# Altium PCB S7.PcbDoc (part 3 of 6)
Units mm, origin at the board's own origin, x right, y up, seen from the top; angles counter-clockwise.
Board outline 50 x 40 mm, 6 copper layers (Component Side, Inner1, Inner2, Inner3, Inner4, Solder Side), stack 0.696 mm thick; 260 components, 298 nets, 1407 pads, 891 vias.
Unrouted connection lines stored in the file: 262.
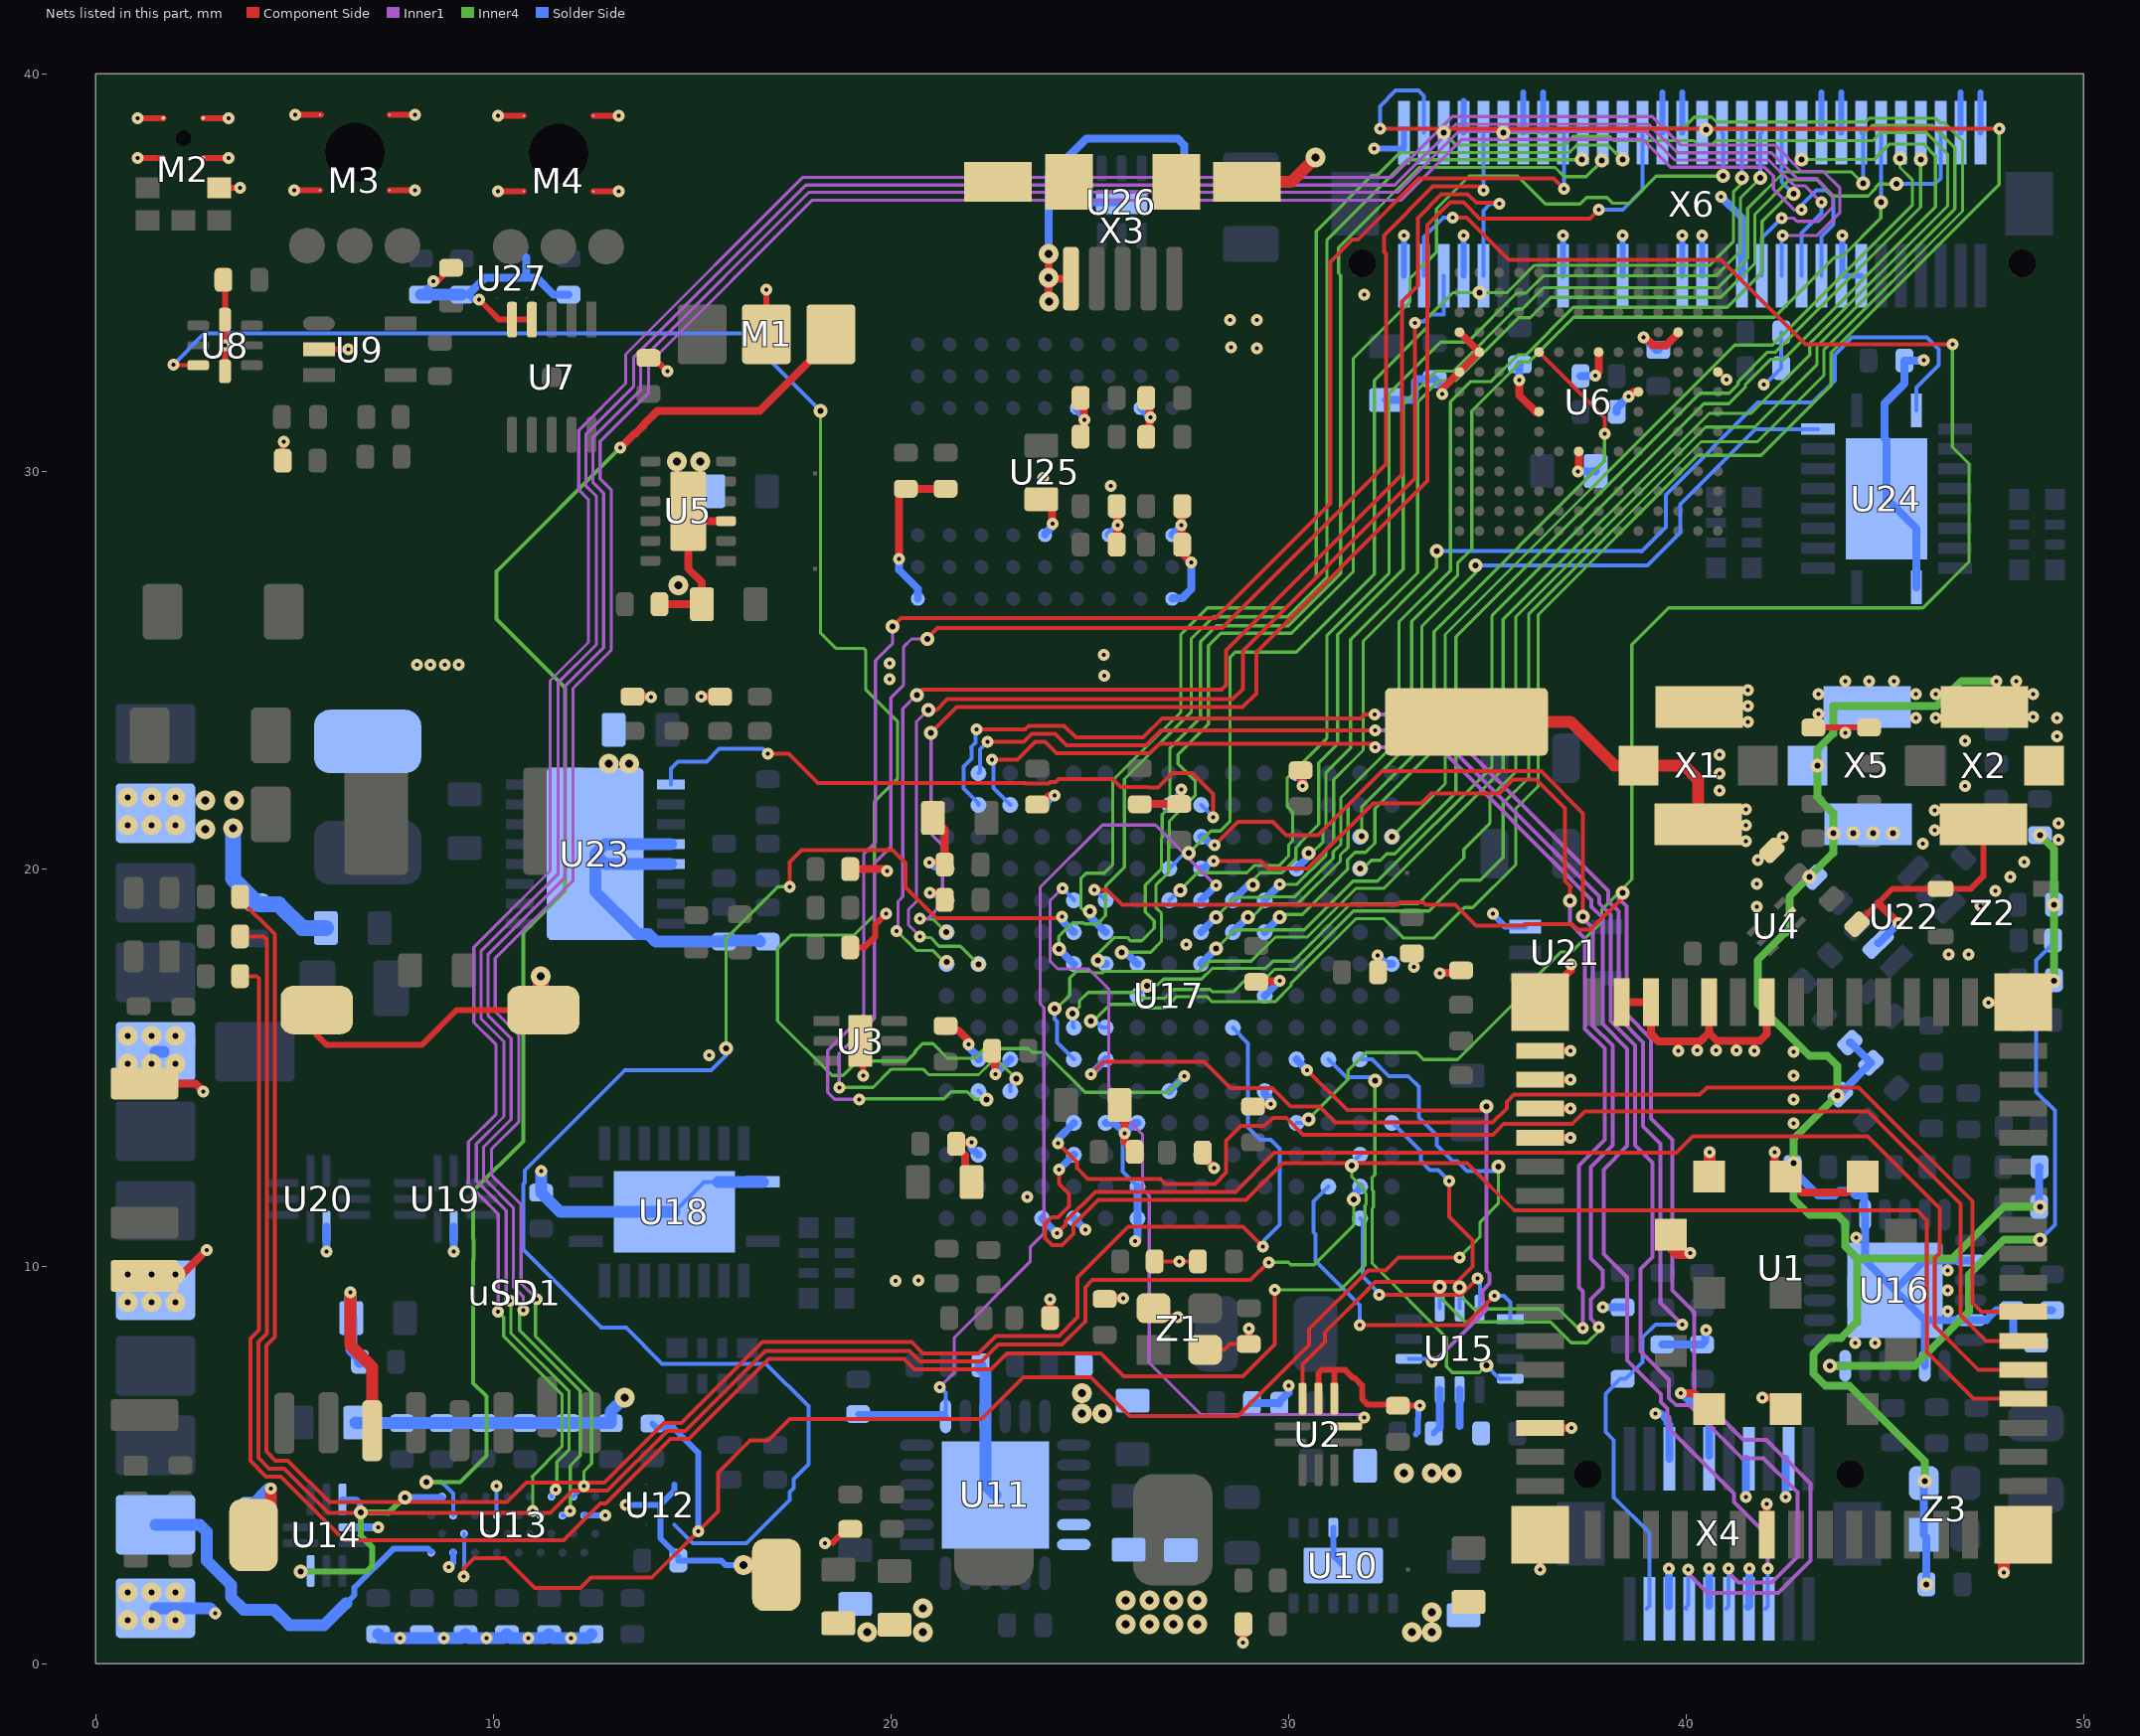
[diagram p7: the nets of this part, all layers, seen from the top]

## Via types
v1: diameter 0.3, hole 0.1, Component Side to Solder Side, tented both sides, 467 vias
v2: diameter 0.35/0.3 (per signal layer), hole 0.15, Inner4 to Solder Side, tented both sides, 214 vias
v3: diameter 0.5, hole 0.2, Component Side to Solder Side, tented both sides, 98 vias
v4: diameter 0.25/0.35 (per signal layer), hole 0.15, Component Side to Inner1, tented both sides, 46 vias
v5: diameter 0.5, hole 0.15, Inner4 to Solder Side, tented both sides, 28 vias
v6: diameter 0.5/0.5 (per signal layer), hole 0.15, Inner4 to Solder Side, tented both sides, 14 vias
v7: diameter 0.3, hole 0.1, Inner4 to Solder Side, tented both sides, 6 vias
v8: diameter 0.5, hole 0.3, Component Side to Solder Side, 4 vias
v9: diameter 0.5, hole 0.2, Component Side to Inner1, tented both sides, 4 vias
v10: diameter 0.5, hole 0.2, Inner4 to Solder Side, tented both sides, 4 vias
v11: diameter 0.5, hole 0.15, Component Side to Inner1, tented both sides, 4 vias
v12: diameter 0.3, hole 0.1, Component Side to Inner1, tented both sides, 2 vias

## Nets (pads, with @x,y where several pads share a name; then routed paths per layer and width w, separated by ;. In a path a pad name is that pad's centre, name@x,y a point inside that pad or via, vN(x,y) a via of type N, cw(c..) or ccw(c..) an arc to the next point about the centre after c; other vN are vias at no path point) (continued)
BT_UART_CTS: U1.24 U17.F10 | length 29
  Component Side w0.1: v1(25.025,14.829) 25.339,15.143 27.881,15.143 28.545,14.479 29.595,14.479 30.052,14.022 30.782,14.022 31.184,13.62 35.133,13.62 35.486,13.973 35.486,14.138 35.663,14.315 40.344,14.315 40.53,14.5 44.344,14.5 47.211,11.634 47.211,9.075 47.431,8.855 U1.24@48.475,8.855
  Solder Side w0.2: v1(25.025,14.829) U17.F10@25.4,15.204
BT_UART_RTS: U1.25 U17.E12 | length 31.1
  Component Side w0.1: v1(24.2,13.1) 24.676,12.624 24.676,12.477 24.952,12.2 26.779,12.2 26.903,12.076 28.151,12.076 28.427,12.352 28.427,13.157 28.799,13.529 29.396,13.529 29.601,13.734 29.948,13.734 30.37,13.312 35.138,13.312 35.411,13.585 37.136,13.585 37.451,13.9 44.575,13.9 46.901,11.574 46.901,8.771 47.548,8.125 U1.25@48.475,8.125
  Solder Side w0.2: v1(24.2,13.1) 24.219,13.119 24.219,13.223 U17.E12@24.6,13.604
BT_UART_RXD: U1.27 U17.E13 | length 32.8
  Component Side w0.1: v1(24.225,12.429) 24.225,12.065 24.475,11.815 24.475,11.505 24.199,11.229 24.038,11.229 23.875,11.066 23.875,10.705 24.051,10.529 24.299,10.529 24.59,10.82 24.59,11.044 25.222,11.676 28.929,11.676 29.853,12.6 34.488,12.6 35.685,11.402 45.811,11.402 46.05,11.163 46.05,7.842 47.228,6.665 U1.27@48.475,6.665
  Solder Side w0.2: v1(24.225,12.429) U17.E13@24.6,12.804
BT_UART_TXD: U1.26 U17.D15 | length 30.2
  Component Side w0.1: v1(24.175,10.829) 24.39,11.044 24.39,11.127 25.139,11.876 28.663,11.876 29.642,12.855 39.751,12.855 40.167,13.27 44.568,13.27 46.375,11.464 46.375,10.336 46.25,10.211 46.25,8.493 47.348,7.395 U1.26@48.475,7.395
  Solder Side w0.2: U17.D15@23.8,11.204 v1(24.175,10.829)
CHARGER_INT: R34.2 U11.7 U17.J5 | length 22.9
  Inner1 w0.08: v1(21.23,6.96) 21.595,7.325 21.595,8.208 23.502,10.115 23.502,10.481 23.85,10.829 23.85,16.506 23.755,16.601 23.755,19.535 25.32,21.1 26.654,21.1 v1(28.175,19.579)
  Solder Side w0.1: v1(21.23,6.96) 21.375,6.815 U11.7@21.375,6.225
  Solder Side w0.15: R34.2@19.175,6.282 21.318,6.282 U11.7@21.375,6.225
  Solder Side w0.2: U17.J5@27.8,19.204 v1(28.175,19.579)
CODEC_IRQ: R35.1 U13.C13 U17.P10 | length 42.9
  Component Side w0.1: v1(9.253,2.2) 9.253,2.398 9.517,2.663 10.297,2.663 11.047,1.913 12.189,1.913 12.45,2.173 13.986,2.173 v1(15.15,3.337) 15.649,3.837 15.649,4.812 16.461,5.623 16.912,5.623 17.451,6.162 22.284,6.162 23.332,7.21 25.029,7.21 26.005,6.235 28.731,6.235 30.515,8.019 30.515,8.415 32,9.9 32.438,9.9 32.762,10.224 v1(34.303,10.224)
  Inner4 w0.08: v1(34.303,10.224) 34.303,10.23 34.819,10.747 34.819,11.118 35.276,11.575 v2(35.276,12.505)
  Solder Side w0.1: v1@9.263,2.314 U13.C13@9.263,3.273 ; U17.P10@31.8,15.204 32.105,15.204 32.523,14.786 33.011,14.786 33.274,14.522 33.274,13.743 33.724,13.293 33.724,13.059 ; 33.725,13.058 33.725,13.049 34.124,12.65 34.244,12.65 34.497,12.397 v2@35.183,12.397
  Solder Side w0.15: R35.1@14,6.04 14.099,5.941 14.525,5.941 15.15,5.316 v1(15.15,3.337)
CODEC_PWR: U12.3 U17.E6 | length 37.4
  Component Side w0.1: v1(17.46,19.55) 17.46,20.174 17.751,20.465 20.046,20.465 20.368,20.143 20.368,19.533 21.138,18.762 24.262,18.762 v1(24.3,18.8)
  Inner4 w0.08: v2(15.852,15.48) 15.852,18.242 17.16,19.55 v1(17.46,19.55)
  Solder Side w0.1: U12.3@14.56,3.49 15.013,3.037 16.363,3.037 17.45,4.124 17.45,4.324 17.551,4.425 17.551,4.651 17.925,5.025 17.925,6.485 16.86,7.55 14.243,7.55 13.337,8.455 12.72,8.455 10.75,10.426 10.75,12.073 10.79,12.113 10.79,12.414 13.311,14.935 15.483,14.935 15.852,15.304 v2(15.852,15.48)
  Solder Side w0.2: v1(24.3,18.8) 24.3,18.704 U17.E6@24.6,18.404
DCDC_RUN: U17.J2 U23.1 | length 16.1
  Component Side w0.1: v1(16.9,22.9) 17.425,22.9 18.162,22.163 23.362,22.163 23.381,22.145 23.973,22.145 24.006,22.178 24.142,22.178 24.219,22.254 25.584,22.254 25.775,22.064 26.459,22.064 26.479,22.044 26.721,22.044 27.082,22.404 27.575,22.404 28.1,21.879 v1(28.1,21.296)
  Solder Side w0.1: U23.1@14.462,22.125 14.462,22.516 14.647,22.7 15.362,22.7 15.677,23.015 16.785,23.015 v1(16.9,22.9) ; U17.J2@27.8,21.604 28.1,21.304 v1(28.1,21.296)
DIO2: R46.2 U16.12 | length 15.6
  Inner4 w0.2: v2(43.62,7.5) 45.75,7.5 47.113,8.863 47.113,9.788 48,10.675 v2(48.905,10.675)
  Solder Side w0.1: v2(48.905,10.675) 49.275,11.045 49.275,13.918 48.81,14.383 48.81,17.7 49.235,18.125 R46.2@49.235,18.2
  Solder Side w0.2: v2(43.62,7.5) U16.12@44,7.5
DPOT_CS: U8.3 U17.H11 | length 49.4
  Component Side w0.1: v1(1.95,32.684) 1.959,32.676 2.566,32.676 U8.3@2.575,32.667
  Inner4 w0.08: v2(18.228,31.519) 18.228,25.934 18.615,25.547 19.316,25.547 19.364,25.499 19.364,24.512 20.17,23.707 20.17,22.25 20.15,22.25 19.584,21.684 19.584,18.842 19.079,18.337 17.497,18.337 17.15,17.99 17.15,16.17 18.52,14.8 18.793,14.8 19.033,15.039 19.033,15.043 19.163,15.173 19.17,15.165 20.4,15.165 20.61,15.375 20.61,15.419 20.795,15.603 21.057,15.603 21.43,15.23 22.104,15.23 22.353,15.479 23.458,15.479 23.557,15.38 23.88,15.38 24.885,14.375 26.971,14.375 v1(27.375,14.779)
  Solder Side w0.1: v1(1.95,32.684) 2.733,33.467 16.28,33.467 v2(18.228,31.519)
  Solder Side w0.2: U17.H11@27,14.404 v1(27.375,14.779)
EMMC_EN1: U17.P3 U24.19 | length 18.4
  Inner4 w0.08: v2(31.84,20.825) 31.84,21.55 33.352,23.062 33.352,26.096 34.707,27.451 v2(34.707,27.629)
  Solder Side w0.1: v2(34.707,27.629) 39.026,27.629 39.85,28.454 39.85,29.176 41.736,31.063 U24.19@43.315,31.063
EMMC_EN2: U17.L5 U24.1 | length 28.5
  Inner4 w0.08: v1(29.78,19.61) 30.213,19.61 30.945,20.342 30.945,20.497 31.136,20.689 31.136,22.239 31.88,22.983 31.88,25.728 33.724,27.572 v2(33.724,27.994)
  Solder Side w0.1: v2(33.724,27.994) 38.866,27.994 38.877,27.982 39.487,28.592 39.487,29.409 41.806,31.728 43.183,31.728 43.737,32.282 43.737,32.939 44.173,33.375 46.06,33.375 46.359,33.076 46.359,32.675 45.79,32.106 U24.1@45.79,31.537
  Solder Side w0.2: U17.L5@29.4,19.204 29.4,19.217 29.78,19.597 v1(29.78,19.61)
EMMC_RST: U6.K5 U17.L6 | length 19.3
  Component Side w0.1: U6.K5@36.3,33 37.95,31.35 v1(37.95,30.948)
  Inner4 w0.08: v2(29.775,18.779) 29.846,18.85 30.35,18.85 31.485,19.985 31.485,20.23 31.669,20.415 31.93,20.415 31.936,20.41 32.172,20.646 32.172,21.51 33.659,22.997 33.659,25.969 37.95,30.26 v1(37.95,30.948)
  Solder Side w0.2: U17.L6@29.4,18.404 v2(29.775,18.779)
GND: ACC1.1 BT1.2 BT2.2 C1.1 C2.2 C3.2 C4.2 C5.2 C6.2 C7.2 C8.2 C9.2 C10.2 C11.2 C12.2 C13.2 C14.2 C15.2 C17.2 C19.2 C20.2 C21.2 C22.2 C23.1 C25.1 C26.2 C27.2 C28.2 C29.2 C30.2 C31.2 C32.1 C33.1 C34.1 C35.2 C36.2 C37.2 C38.2 C41.2 C42.2 C43.2 C44.2 C45.2 C46.2 C47.2 C48.1 C49.2 C50.1 C51.1 C52.1 C54.2 C55.2 C56.2 C57.2 C58.2 C60.2 C61.2 C62.2 C63.2 C64.2 C65.1 C66.1 C67.1 C68.1 C70.2 C71.2 C72.2 C73.1 C74.2 C75.2 C76.2 C77.2 C78.2 C79.2 C80.1 C81.1 C82.1 C83.2 C84.1 C85.2 C87.2 C88.1 C90.2 C91.2 C92.2 C94.1 C95.2 C97.1 C100.2 C101.2 C102.2 C103.1 C104.1 C105.1 C108.2 C109.2 C110.1 C111.2 C112.2 C113.2 C114.2 C115.2 C116.2 C117.2 C118.1 C119.2 C120.2 C121.2 C122.2 C123.1 L5.1 M1.2 M2.2 M2.3 M3.4 M4.4 P_MIC_GND1.1 P_PWR_GND1.1 P_USB_GND1.1 P_VBAT_GND1.1 R2.2 R6.1 R10.2 R18.1 R19.1 R20.2 R22.2 R24.2 R25.1 R36.1 R39.1 R40.1 R41.1 R43.2 R49.1 R50.1 U1.2 U1.3 U1.5 U1.7 U1.38 U1.47 U1.57 U1.58 U1.59 U1.60 U1.61 U1.62 U1.63 U1.64 U1.65 U1.66 U1.67 U1.69 U1.76 U1.77 U2.8 U2.9 U3.7 U4.2 U5.3 U5.13 U6.A6 U6.C4 U6.E7 U6.G5 U6.H10 U6.K8 U6.N2 U6.N5 U6.P4 U6.P6 U7.4 U7.5 U8.4 U8.8 U9.2 U10.3 U10.13 U11.9 U11.17 U11.18 U11.25 U12.2 U12.5 U13.B2 U13.B10 U13.D14 U14.6 U15.6 U15.7 U16.2 U16.5 U16.8 U16.20 U16.25 U17.A4 U17.A5 U17.B10 U17.B13 U17.C10 U17.D2 U17.E15 U17.F12 U17.G12 U17.G14 U17.G15 U17.H2 U17.J13 U17.L8 U17.L11 U17.M1 U17.R7 U18.10 U18.PAD U19.6 U20.6 U21.3 U22.2 U23.4 U23.5 U23.17 U24.10 U24.PAD U25.A1 U25.A3 U25.B7 U25.C3 U25.D7 U25.E3 U25.J1 U26.7 U27.2 U27.5 uSD1.6 uSD1.9 uSD1.10 uSD1.11 uSD1.12 X1.2 X1.3 X1.4 X2.2 X2.3 X2.4 X3.5 X3.G1 X3.G2 X3.G3 X3.G4 X4.3 X4.5 X4.7 X4.12 X4.14 X4.16 X4.18 X5.2 X5.3 X5.4 X6.1 X6.2 X6.8 X6.9 X6.16 X6.17 X6.23 X6.24 X6.27 X6.30 X6.31 X6.34 X6.39 X6.42 X6.45 X6.46 X6.48 X6.53 X6.54 Z1.2 Z1.4 Z2.2 Z3.1 Z3.2 | length 302
  Component Side w0.1: R10.2@26.635,10.125 v1(27.252,10.125) 27.327,10.125 C9.2@27.723,10.125 ; Z1.2@27.9,7.9 28.379,7.9 28.525,8.046 C7.2@29,8.046 ; v1(32.236,17.823) 32.252,17.807 C21.2@32.252,17.4 ; U6.N5@34.8,33 U6.N5@34.805,33 ; U6.A6@40.8,32.5 40.83,32.5 v1(41.019,32.311)
  Component Side w0.15: v1(1.056,37.889) M2.3@1.7,37.889 ; v1(1.056,38.889) M2.3@1.7,38.889 ; M2.3@2.7,37.889 v1(3.344,37.889) ; M2.3@2.7,38.889 v1(3.344,38.889) ; M2.2@3.1,37.137 3.634,37.137 v1(3.635,37.135) ; C48.1@3.21,34.817 3.25,34.778 U8.8@3.25,33.817 U8.4@3.25,32.517 ; R25.1@4.704,30.267 4.704,30.725 v1(4.725,30.746) ; v1(4.994,37.067) M3.4@5.637,37.067 ; v1(5.019,38.967) 5.662,38.967 ; uSD1.12@5.56,16.447 5.56,15.818 5.803,15.575 6.824,15.575 7.176,15.575 7.424,15.575 8.206,15.575 9.078,16.447 uSD1.11@11.26,16.447 ; U9.2@5.612,33.067 v1(6.35,33.067) ; M3.4@7.387,37.067 v1(8.031,37.067) ; M3.4@7.387,38.967 v1(8.031,38.967) ; v1(8.49,34.787) 8.605,34.787 C50.1@8.937,35.119 ; v1(9.641,34.321) 10.148,33.814 U7.5@10.472,33.814 U7.4@10.972,33.814 ; v1(10.119,37.042) M4.4@10.762,37.042 ; v1(10.119,38.942) M4.4@10.762,38.942 ; M4.4@12.512,37.042 v1(13.156,37.042) ; M4.4@12.512,38.942 v1(13.156,38.942) ; C44.2@13.901,32.852 14.04,32.852 v1(14.375,32.517) ; M1.2@16.87,33.45 v1(16.871,34.572) v1(16.871,34.572) ; v1@18.33,3.037 18.366,3.037 18.376,3.047 18.54,3.047 18.883,3.39 R6.1@18.975,3.39 ; R18.1@18.975,18.023 19.336,18.023 19.6,18.287 19.6,18.592 19.874,18.866 v1(19.874,18.871) ; v1(19.3,14.8) 19.3,15.028 U3.7@19.2,15.128 ; U2.9@30.75,6.673 30.75,7.307 30.838,7.395 31.149,7.395 31.425,7.395 31.425,7.39 31.615,7.2 31.655,7.2 31.85,7.005 31.85,6.66 31.985,6.525 32.717,6.525 32.746,6.496 33.296,6.496 v1(33.3,6.5) ; U2.8@31.15,6.673 31.15,7.394 ; C32.1@43.2,23.552 C33.1@44.6,23.552 ; C25.1@44.298,18.605 44.83,19.138 45.192,19.5 Z2.2@46.4,19.5 47.164,19.5 47.475,19.811 X2.2@47.475,21.125 ; U3.7@19.2,15.128 19.232,15.16 U3.7@19.232,15.665 19.2,15.633 U3.7@19.2,15.128
  Component Side w0.2: BT1.2@1.225,9.757 2.135,9.757 v1(2.787,10.41) ; BT2.2@1.225,14.6 2.503,14.6 v1@2.694,14.409 ; R20.2@13.5,24.335 13.961,24.335 v1(13.97,24.326) ; R24.2@14.18,26.656 C34.1@15.246,26.656 15.246,27.206 14.9,27.552 U5.13@14.9,29 15.15,28.75 U5.3@15.85,28.75 ; v1(15.233,24.335) R22.2@15.7,24.335 ; R19.1@18.975,19.99 19.858,19.99 v1(19.906,19.943) ; v1(20.2,27.8) 20.2,29.326 20.406,29.532 C42.2@20.375,29.563 C41.2@21.375,29.563 ; v1(20.97,20.16) 21.301,20.16 C26.2@21.352,20.109 21.352,20.986 C27.2@21.06,21.278 ; v1(20.979,19.39) 21.182,19.39 C22.2@21.354,19.218 C22.2@21.412,19.16 ; C14.2@21.375,16.049 21.492,15.932 21.698,15.932 21.985,15.645 v1@21.985,15.622 ; v1(22.03,13.12) 21.761,13.12 21.652,13.011 21.862,12.801 21.862,12.28 C8.2@22.027,12.116 C8.2@22.052,12.14 ; C17.2@22.598,15.425 22.611,15.412 22.611,14.843 v1(22.625,14.829) ; C28.2@23.677,21.616 23.759,21.616 23.973,21.831 24.101,21.831 v1(24.12,21.85) ; C43.2@23.785,29.3 23.853,29.3 24.053,29.1 24.053,28.697 v1(24.07,28.68) ; v3@23.972,34.376 v3(23.972,34.864) ; v3(23.972,35.464) v3(23.972,34.864) ; C5.2@24.004,8.7 v1(24.004,9.177) ; X3.5@24.524,34.85 24.103,34.85 24.089,34.864 v3(23.972,34.864) ; C46.2@24.773,30.875 24.851,30.953 24.851,31.281 v1(24.87,31.3) 24.851,31.319 24.851,31.767 C49.2@24.773,31.845 ; C6.2@25.375,9.177 25.388,9.19 v1(25.845,9.19) ; C15.2@25.675,14.061 25.885,13.851 v1(25.885,13.35) 25.885,13.124 C11.2@26.129,12.88 C11.2@26.145,12.864 ; C38.2@25.677,28.16 25.694,28.176 25.694,28.623 v1(25.71,28.64) 25.694,28.656 25.694,29.108 C36.2@25.677,29.125 ; C29.2@26.26,21.625 26.266,21.631 C30.2@27.252,21.631 27.31,21.689 v1(27.31,22) ; C47.2@26.423,30.865 26.506,30.948 26.506,31.336 v1(26.525,31.355) 26.506,31.374 26.506,31.762 C45.2@26.423,31.845 ; Z1.4@26.6,8.95 26.825,8.725 v1(27.213,8.725) ; C35.2@27.327,29.125 27.319,29.117 27.319,28.648 v1(27.31,28.64) 27.318,28.632 27.318,28.162 C37.2@27.325,28.155 27.325,27.937 v1(27.552,27.71) ; C12.2@27.786,12.919 C12.2@27.841,12.864 27.841,12.763 v1(28.127,12.477) ; v1(28.854,0.533) 28.854,0.565 28.865,0.576 R2.2@28.865,1 ; C7.2@29,8.046 v1(29,8.43) ; C13.2@29.187,14.029 29.218,14.06 29.539,14.06 v1(29.558,14.079) ; C19.2@29.187,17.152 29.201,17.166 29.761,17.166 v1(29.775,17.179) ; C31.2@30.303,22.479 30.303,22.251 30.35,22.204 v1(30.35,22.08) ; v1(33.8,17.37) 33.819,17.389 34.282,17.389 L5.1@34.34,17.447 ; v1(33.863,31.948) 33.863,32.062 U6.P6@34.3,32.5 U6.N5@34.8,33 U6.P4@34.3,33.5 ; v1(35.8,32.3) 35.8,31.915 36.215,31.5 U6.K8@36.3,31.5 ; v1(36.325,2.372) U1.64@36.325,3.25 ; U1.47@36.325,5.935 v1(37.123,5.935) ; U1.57@36.325,13.235 v1(37.092,13.235) ; U1.58@36.325,13.965 v1(37.092,13.965) ; U1.59@36.325,14.695 37.088,14.695 37.09,14.697 v1(37.096,14.691) ; U1.60@36.325,15.425 v1(37.096,15.425) ; U1.61@36.325,16.65 36.325,16.671 37.1,17.446 v1(37.1,17.6) ; v1(37.28,30) 37.28,30.059 37.3,30.079 U6.H10@37.3,30.5 ; v1(37.715,32.412) 37.8,32.497 U6.G5@37.8,33 ; U1.2@38.385,16.65 U1.3@39.115,16.65 39.115,15.847 39.307,15.655 40.355,15.655 40.575,15.875 ; v1(38.55,31.88) 38.67,32 U6.E7@38.8,32 ; v1(38.925,33.375) 38.989,33.312 39.028,33.312 39.165,33.175 39.508,33.175 39.8,33.467 U6.C4@39.8,33.5 ; v1(39.8,15.425) v1@39.831,15.456 ; v1(39.87,6.81) 40.179,6.81 U1.77@40.577,6.412 ; U1.5@40.575,16.65 40.575,15.875 ; v1(41.269,15.435) v1@41.269,15.48 ; v1(41.918,6.694) 42.225,6.694 U1.76@42.507,6.412 ; U1.38@42.035,3.25 v1(42.035,4.018) ; U1.7@42.035,16.65 42.035,15.85 41.85,15.665 40.785,15.665 40.575,15.875 ; v1(42.235,12.875) 42.235,12.532 U1.66@42.507,12.26 42.915,11.852 44.029,11.852 U1.65@44.438,12.26 ; 44.83,19.138 44.832,19.138 v1(45.34,18.629) ; v1(47.6,16.636) 48.461,16.636 U1.62@48.475,16.65
  Component Side w0.3: uSD1.9@3.97,3.237 4.4,3.668 v1(4.4,4.413) ; v1(6.4,9.35) 6.4,8.021 6.95,7.471 uSD1.6@6.95,5.865 ; X3.G1@28.954,37.28 30.068,37.28 v3(30.679,37.891) ; ACC1.1@34.477,23.7 37.095,23.7 38.195,22.6 X1.3@38.8,22.6 39.947,22.6 40.3,22.247 X1.4@40.3,21.125 ; U1.69@39.612,10.798 39.558,10.745 39.37,10.745 39.778,10.336 v1(40.1,10.336) ; U1.67@40.577,12.26 40.588,12.271 v1(40.588,12.875) ; v1(47.988,2.3) 47.988,2.763 U1.63@48.475,3.25
  Component Side w0.4: uSD1.9@3.97,3.237 uSD1.9@4.006,3.201 ; v3(11.187,17.3) 11.187,16.519 uSD1.11@11.26,16.447 ; v3(16.294,2.488) 16.85,2.488 17.11,2.228 uSD1.10@17.12,2.237
  Inner4 w0.2: v2(43.7,20.9) 43.7,21.4 43.3,21.8 v2(43.3,22.6) 43.3,23 43.7,23.4 43.7,24.1 46.3,24.1 46.925,24.725 v1(47.8,24.725) ; v2@43.7,20.9 43.7,20.4 v2(43.1,19.8) 42.6,19.3 42.6,18.483 42.517,18.4 42.5,18.4 41.8,17.7 41.8,16.6 43.1,15.3 43.55,15.3 43.8,15.05 v2(43.8,14.3) 42.7,13.2 v2(42.7,12.6) 42.7,11.7 43.1,11.3 43.8,11.3 44,11.1 44,10.5 44.3,10.2 ; v2(46,4.6) 46,5.1 44.1,7 43.5,7 43.2,7.3 43.2,7.8 43.6,8.2 43.9,8.2 44.3,8.6 44.3,10.2 ; v2(48.9,11.5) 48,11.5 46.7,10.2 44.3,10.2 ; v2(48.9,20.85) 49.25,20.5 v2(49.25,19.1) v2(49.25,17.179)
  Solder Side w0.1: v1(10.08,4.47) 10.08,3.735 U13.B10@10.088,3.728 ; U18.PAD@14.55,11.375 15.3,12.125 U18.PAD@15.652,12.125 ; v1(25.885,13.35) 25.825,13.29 25.825,12.379 U17.G14@26.2,12.004 ; v1(41.957,32.186) 41.975,32.186 42.389,32.6 C111.2@42.398,32.6 C112.2@42.398,33.5
  Solder Side w0.15: C122.2@8.18,34.448 8.505,34.773 v1(8.49,34.787) ; v1(8.877,2.428) 8.988,2.538 U13.D14@8.988,2.818 ; C121.2@9.21,34.448 9.367,34.448 9.494,34.321 v1(9.641,34.321) ; U13.B2@12.288,3.728 v1(12.812,3.728) ; v1@13.325,3.994 v1(13.328,3.997) 13.331,4 U12.5@14.2,4 ; U12.2@14.56,4.51 14.56,4.36 U12.5@14.2,4 ; v3(16.294,2.488) 15.84,2.488 15.728,2.6 C58.2@14.652,2.6 14.652,2.695 14.502,2.845 14.502,2.857 14.2,3.159 U12.5@14.2,4 ; U10.3@31.125,3.425 31.125,2.725 U10.13@31.375,2.475 ; v1(32.159,38.116) 32.9,38.116 X6.30@32.9,38.525 ; X6.31@32.9,34.925 v1(32.9,35.93) ; 33.2,5.773 33.25,5.823 33.25,6.175 33.271,6.197 33.271,6.471 v1(33.3,6.5) ; C72.2@33.652,5.8 C72.2@33.8,5.948 ; X6.34@34.4,34.925 v1(34.4,35.93) ; X6.27@34.4,38.525 34.4,39.325 ; v1(35.147,18.871) 35.147,18.85 35.447,18.55 U21.3@35.95,18.55 ; X6.24@35.9,38.525 35.9,39.53 ; 36.399,39.53 36.402,39.53 36.4,39.528 X6.23@36.4,38.525 ; X6.39@36.9,34.925 v1(36.9,35.93) ; X6.42@38.4,34.925 v1(38.4,35.93) ; X6.17@39.4,38.525 39.4,39.53 ; X6.45@39.9,34.925 v1(39.9,35.93) ; X6.16@39.9,38.525 39.9,39.53 ; X6.46@40.4,34.925 v1(40.4,35.93) ; X6.9@43.4,38.525 43.4,39.53 ; X6.53@43.9,34.925 X6.54@44.4,34.925 ; X6.8@43.9,38.525 43.9,39.53 ; X6.53@43.925,34.925 v1(43.925,35.93) ; X6.2@46.9,38.525 46.9,39.53 ; X6.1@47.4,38.525 47.4,39.53
  Solder Side w0.2: v1(5.8,10.375) U20.6@5.8,11 ; U14.6@6.505,3.437 U14.6@6.513,3.43 ; U14.6@6.514,3.43 6.515,3.429 6.825,3.429 6.827,3.43 v1(7.1,3.43) ; v1(9,10.375) U19.6@9,11 ; C121.2@9.367,34.448 9.789,34.87 U27.5@10.47,34.87 10.857,34.87 ; U27.2@10.83,35.38 10.83,34.898 10.857,34.87 ; C120.2@11.89,34.448 11.513,34.448 11.091,34.87 10.857,34.87 ; v1(20.2,27.8) 20.2,27.525 20.675,27.05 U25.J1@20.675,26.79 ; v1(20.97,20.16) 20.997,20.16 21.105,20.052 21.352,20.052 U17.A4@21.4,20.004 ; v1(20.979,19.39) 20.998,19.371 21.166,19.371 21.332,19.204 U17.A5@21.4,19.204 ; v1(21.95,15.58) 21.969,15.561 21.969,15.503 22.2,15.272 U17.B10@22.2,15.204 ; v1(22.03,13.12) 22.03,12.974 U17.B13@22.2,12.804 ; v1(22.625,14.829) U17.C10@23,15.204 ; U17.D2@23.8,21.604 23.847,21.604 24.093,21.85 v1(24.12,21.85) ; U25.E3@23.875,28.405 23.875,28.431 24.051,28.606 24.051,28.661 v1(24.07,28.68) ; v3(23.972,35.464) 23.972,36.74 ; U17.E15@24.6,11.204 24.603,11.204 24.887,10.92 v1(24.89,10.92) ; U25.D7@24.675,31.59 24.675,31.549 24.851,31.374 24.851,31.319 v1(24.87,31.3) ; U17.F12@25.4,13.604 25.631,13.604 v1(25.885,13.35) 26.139,13.604 U17.G12@26.2,13.604 ; U25.C3@25.475,28.405 v1(25.71,28.64) ; U26.7@25.799,36.775 24.007,36.775 23.972,36.74 ; v1(26.14,10.629) 26.2,10.689 U17.G15@26.2,11.204 U17.G14@26.2,12.004 ; U25.B7@26.29,31.59 v1(26.525,31.355) ; U17.H2@27,21.604 27.31,21.914 v1(27.31,22) ; U25.A1@27.075,26.79 27.094,26.809 27.327,26.809 27.549,27.031 27.549,27.707 v1(27.552,27.71) ; U25.A3@27.075,28.405 v1(27.31,28.64) ; C123.1@27.375,37.752 27.375,38.207 27.215,38.368 24.913,38.368 23.972,37.427 23.972,36.74 ; U17.J13@27.8,12.804 v1(28.127,12.477) ; C61.2@29.079,6.562 C62.2@29.756,6.562 ; U17.L11@29.4,14.404 29.4,14.336 29.539,14.197 29.539,14.098 v1(29.558,14.079) ; U17.L8@29.4,16.804 v1(29.775,17.179) ; C62.2@29.771,6.548 C62.2@29.756,6.562 ; v1(30,6.993) 30,6.818 29.75,6.569 C62.2@29.756,6.562 ; U17.M1@30.2,22.404 30.35,22.254 v1(30.35,22.08) ; v1(32.236,17.823) 32.455,17.604 U17.R7@32.6,17.604 ; C117.2@32.455,31.791 33.094,31.791 33.183,31.88 33.183,32.262 33.238,32.317 C116.2@33.675,32.317 33.863,32.13 v1(33.863,31.948) ; C72.2@33.8,5.948 U15.7@33.8,6.9 ; 34.3,5.988 U15.6@34.3,6.9 ; v1(35.8,32.3) 35.8,32.673 C119.2@35.818,32.691 ; v1(37.28,30) 37.715,30 C109.2@37.725,30.01 ; C114.2@37.348,32.4 37.703,32.4 v1(37.715,32.412) ; v1(37.9,8.972) 37.907,8.965 R36.1@38.4,8.965 ; C115.2@38.252,31.5 38.252,31.582 v1(38.55,31.88) ; v1(38.925,33.375) 39.248,33.052 C113.2@39.3,33.052 ; v1(39.226,6.3) 39.361,6.3 39.525,6.136 39.525,6.062 39.576,6.011 X4.18@39.576,5.162 ; R40.1@39.4,8.035 R39.1@40.4,8.035 40.481,8.116 40.481,8.381 v1(40.5,8.4) ; X4.3@39.57,1.448 v1(39.57,2.4) ; v1(39.87,6.81) 39.892,6.81 40.576,6.126 X4.16@40.576,5.235 ; X4.5@40.577,1.454 v1(40.577,2.4) ; v1(40.881,36.906) 41.4,36.387 X6.48@41.4,34.925 ; X4.14@41.5,5.159 41.5,4.195 v1(41.505,4.19) ; X4.7@41.55,1.428 41.59,1.468 v1(41.59,2.4) ; v1(42.5,4.19) X4.12@42.5,5.159 ; C92.2@42.676,12.425 43.32,11.782 43.737,11.782 43.855,11.9 44.145,11.9 44.263,11.782 44.481,11.782 44.481,11.319 U16.20@44.5,11.3 44.5,10.15 U16.25@45.25,9.4 ; C90.2@43.902,14.371 C91.2@44.65,15.12 44.157,15.613 ccw(c44.12,15.576) C95.2@44.12,15.628 ; U22.2@44.828,18.128 44.839,18.128 v1(45.34,18.629) ; U24.10@45.79,27.087 45.79,28.562 U24.PAD@45.04,29.312 45.04,30.788 44.99,30.837 44.99,31.706 45.492,32.208 C118.1@45.492,32.787 45.868,32.787 45.884,32.804 45.895,32.792 v1(45.984,32.792) ; Z3.2@45.975,4.55 Z3.1@45.975,3.25 46.048,3.177 v2(46.048,2) ; U16.8@46,7.5 U16.25@46,8.65 ; U16.2@47.15,10.15 46,10.15 U16.25@45.25,9.4 ; C70.2@48.8,8.052 48.483,8.052 48.235,8.3 48.235,8.865 C81.1@48.202,8.898 ; C85.2@48.884,11.505 48.884,12.495 C87.2@48.888,12.5 ; C104.1@48.9,20.848 v2(48.9,20.85) ; C80.1@49.2,8.896 49.198,8.898 C81.1@48.202,8.898 ; U16.25@45.25,9.4 U16.25@46,8.65 ; U16.25@46,8.65 U16.5@47.15,8.65 47.55,8.65 47.8,8.9 C81.1@48.2,8.9 C81.1@48.202,8.898